# Altium PCB H3_PCB_20191213_V2.PcbDoc (part 1 of 4) (continued)
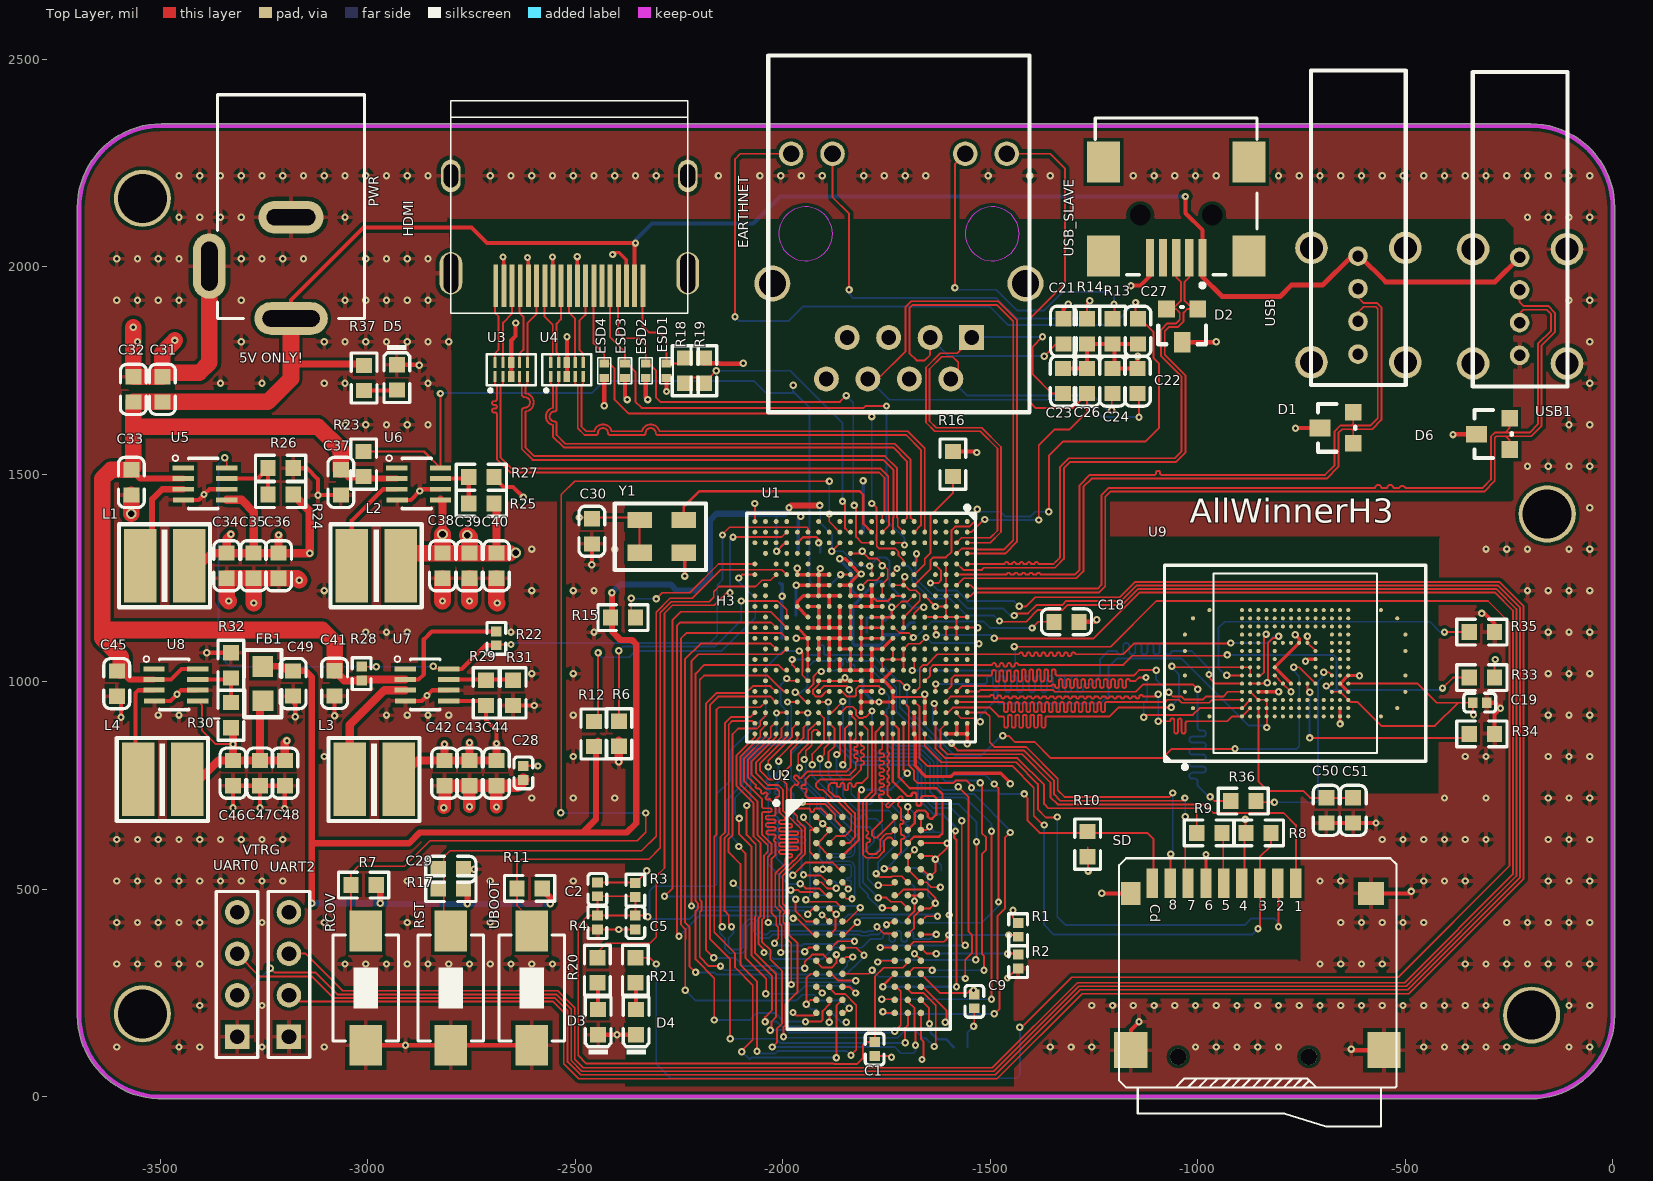
[diagram p0: Top Layer view]
## Components (designator, comment, footprint, x,y, rotation, side; value= is the part's Value field where it differs from the comment) (continued)
PWR "PWR2.5" DC-PJ044A -3185,2415.28 r270 top
R1 "240Ω" 0402_R -1432.5,402.49 r270 top
R2 "240Ω" 0402_R -1432.5,326 r90 top
R3 "2KΩ" 0402_R -2355,498.27 r270 top
R4 "2KΩ" 0402_R -2446.52,420 r270 top
R5 "100Ω" 0402_R -2135,410 r180 bottom
R6 "240Ω" 0603_R -2395,875 r90 top
R7 "47KΩ" 0603_R -3010,510 r180 top
R8 "47KΩ" 0603_R -853.27,636 r180 top
R9 "33Ω" 0603_R -971.73,636 r180 top
R10 "47KΩ" 0603_R -1265,609.03 r270 top
R11 "47KΩ" 0603_R -2610,502.38 r180 top
R12 "47KΩ" 0603_R -2455.31,874.39 r90 top
R13 "510Ω" 0603_R -1205,1845 r270 top
R14 "510Ω" 0603_R -1266.5,1845 r270 top
R15 "100KΩ" 0603_R -2385,1155 r0 top
R16 "47KΩ" 0603_R -1590,1525 r90 top
R17 "47KΩ" 0603_R -2799.8,501.73 r180 top
R18 "20KΩ" 0603_R -2235,1750 r90 top
R19 "20KΩ" 0603_R -2190,1750 r270 top
R20 "2KΩ" 0603_R -2446.52,305 r270 top
R21 "2KΩ" 0603_R -2355,305 r270 top
R22 "47KΩ" 0402_R -2690,1105 r270 top
R23 "47KΩ" 0603_R -3010,1525 r90 top
R24 "200KΩ" 0603_R -3210,1451.5 r180 top
R25 "300KΩ" 0603_R -2726.25,1430 r180 top
R26 "200KΩ" 0603_R -3210,1515 r0 top
R27 "200KΩ" 0603_R -2726.25,1493.27 r0 top
R28 "47KΩ" 0402_R -3015,1020 r90 top
R29 "200KΩ" 0603_R -2715,973.4 r90 top
R30 "300KΩ" 0603_R -3330,920 r90 top
R31 "200KΩ" 0603_R -2650,973.4 r270 top
R32 "200KΩ" 0603_R -3330,1040 r90 top
R33 "47KΩ" 0603_R -315,1010.45 r180 top
R34 "0Ω" 0603_R -315,874.68 r0 top
R35 "0Ω" 0603_R -315,1120 r0 top
R36 "33Ω" 0603_R -890,712.5 r0 top
R37 "2KΩ" 0603_R -3009,1732.32 r270 top
RCOV "SW-PB" SW_PB2_A1 -3005,260 r0 top
RST "SW-PB" SW_PB2_A1 -2800,260 r0 top
SD "TF_Card" SD_MINI -763.39,510 r0 top
U1 "H3-BGA3XX" BGA347P0_65B14X14 -1811.18,1130.59 r270 top
U2 "MT41K512M16TNA-125" MICT-TNA-96 -1792.99,438.27 r0 top
U3 "rRClamp0524P" RCLAMP0524P -2654.35,1752.3 r0 top
U4 "rRClamp0524P" RCLAMP0524P -2520,1752.3 r0 top
U5 "MP2144" SOT23-8 -3445,1515.67 r90 top
U6 "MP2144" SOT23-8 -2930,1515.67 r90 top
U7 "MP2144" SOT23-8 -2910,1031.33 r90 top
U8 "MP2144" SOT23-8 -3515,1031.33 r90 top
U9 "EMMC5_0_BGA169" BGA169P0_50B12_00X16_00H1_00 -765,1045 r90 top
UART0 "SWD" HDR1X4 -3315,145 r90 top
UART2 "SWD" HDR1X4 -3190,145 r90 top
UBOOT "SW-PB" SW_PB2_A1 -2605,260 r0 top
USB "USB_A_1" USB_A_1 -612.5,2094.16 r180 top
USB1 "USB_A_1" USB_A_1 -223,2091.26 r180 top
USB_SLAVE "USB-B(Mini)" USB/SM0.8-6H5 -1051.61,2331.69 r90 top
Y1 "24MHz" SMDXTAL3225 -2345,1390 r0 top

## Footprints (in the part's own frame and the unit in brackets; to place one, negate y for a bottom-side part, rotate by r counter-clockwise, add the part's x,y. Pads: shape width x height; smd on the part's side, far side on the other; paste and mask are expansions set on the pad)
0402_C [mm]
  rect 0.6x0.65 smd mask+0.051: 1(-0.425,0) 2(0.425,0)
  silkscreen extent -0.98,-0.58 0.98,0.58, body extent -0.48,-0.3 0.52,0.3, height 0.2
0402_R [mm]
  rect 0.6x0.65 smd mask+0.051: 1(-0.425,0) 2(0.425,0)
  silkscreen extent -0.98,-0.58 0.98,0.58, body extent -0.57,-0.27 0.57,0.28, height 0.41
0603_C [mm]
  rect 0.93x0.98 smd: 1(-0.77,0) 2(0.77,0)
  silkscreen extent -1.53,-0.79 1.54,0.79, body extent -0.8,-0.4 0.8,0.4, height 0.3
0603_LED_S1 [mm]
  rect 0.93x0.98 smd: A(0.77,0) K(-0.77,0)
  silkscreen extent -1.98,-0.79 1.54,0.79, body extent -0.8,-0.4 0.8,0.4, height 0.6
0603_R [mm]
  rect 0.93x0.98 smd: 1(-0.77,0) 2(0.77,0)
  silkscreen extent -1.53,-0.79 1.54,0.79, body extent -0.85,-0.4 0.85,0.4, height 0.56
BGA169P0_50B12_00X16_00H1_00 [mil]
  round 9.8 smd: A4(-68.9,265.7) A6(-29.5,265.7) A9(29.5,265.7) A11(68.9,265.7) AA1(-128,-128) AA2(-108.3,-128) AA3(-88.6,-128) AA4(-68.9,-128) AA5(-49.2,-128) AA6(-29.5,-128) AA7(-9.8,-128) AA8(9.8,-128) AA9(29.5,-128) AA10(49.2,-128) AA11(68.9,-128) AA12(88.6,-128) AA13(108.3,-128) AA14(128,-128) AE1(-128,-206.7) AE14(128,-206.7) AG2(-108.3,-246.1) AG13(108.3,-246.1) AH4(-68.9,-265.7) AH6(-29.5,-265.7) AH9(29.5,-265.7) AH11(68.9,-265.7) B2(-108.3,246.1) B13(108.3,246.1) D1(-128,206.7) D14(128,206.7) H1(-128,128) H2(-108.3,128) H3(-88.6,128) H4(-68.9,128) H5(-49.2,128) H6(-29.5,128) H7(-9.8,128) H8(9.8,128) H9(29.5,128) H10(49.2,128) H11(68.9,128) H12(88.6,128) H13(108.3,128) H14(128,128) J1(-128,108.3) J2(-108.3,108.3) J3(-88.6,108.3) J4(-68.9,108.3) J5(-49.2,108.3) J6(-29.5,108.3) J7(-9.8,108.3) J8(9.8,108.3) J9(29.5,108.3) J10(49.2,108.3) J11(68.9,108.3) J12(88.6,108.3) J13(108.3,108.3) J14(128,108.3) K1(-128,88.6) K2(-108.3,88.6) K3(-88.6,88.6) K4(-68.9,88.6) K5(-49.2,88.6) K6(-29.5,88.6) K7(-9.8,88.6) K8(9.8,88.6) K9(29.5,88.6) K10(49.2,88.6) K11(68.9,88.6) K12(88.6,88.6) K13(108.3,88.6) K14(128,88.6) L1(-128,68.9) L2(-108.3,68.9) L3(-88.6,68.9) L4(-68.9,68.9) L12(88.6,68.9) L13(108.3,68.9) L14(128,68.9) M1(-128,49.2) M2(-108.3,49.2) M3(-88.6,49.2) M5(-49.2,49.2) M6(-29.5,49.2) M7(-9.8,49.2) M8(9.8,49.2) M9(29.5,49.2) M10(49.2,49.2) M12(88.6,49.2) M13(108.3,49.2) M14(128,49.2) N1(-128,29.5) N2(-108.3,29.5) N3(-88.6,29.5) N5(-49.2,29.5) N10(49.2,29.5) N12(88.6,29.5) N13(108.3,29.5) N14(128,29.5) P1(-128,9.8) P2(-108.3,9.8) P3(-88.6,9.8) P5(-49.2,9.8) P10(49.2,9.8) P12(88.6,9.8) P13(108.3,9.8) P14(128,9.8) R1(-128,-9.8) R2(-108.3,-9.8) R3(-88.6,-9.8) R5(-49.2,-9.8) R10(49.2,-9.8) R12(88.6,-9.8) R13(108.3,-9.8) R14(128,-9.8) T1(-128,-29.5) T2(-108.3,-29.5) T3(-88.6,-29.5) T5(-49.2,-29.5) T10(49.2,-29.5) T12(88.6,-29.5) T13(108.3,-29.5) T14(128,-29.5) U1(-128,-49.2) U2(-108.3,-49.2) U3(-88.6,-49.2) U5(-49.2,-49.2) U6(-29.5,-49.2) U7(-9.8,-49.2) U8(9.8,-49.2) U9(29.5,-49.2) U10(49.2,-49.2) U12(88.6,-49.2) U13(108.3,-49.2) U14(128,-49.2) V1(-128,-68.9) V2(-108.3,-68.9) V3(-88.6,-68.9) V12(88.6,-68.9) V13(108.3,-68.9) V14(128,-68.9) W1(-128,-88.6) W2(-108.3,-88.6) W3(-88.6,-88.6) W4(-68.9,-88.6) W5(-49.2,-88.6) W6(-29.5,-88.6) W7(-9.8,-88.6) W8(9.8,-88.6) W9(29.5,-88.6) W10(49.2,-88.6) W11(68.9,-88.6) W12(88.6,-88.6) W13(108.3,-88.6) W14(128,-88.6) Y1(-128,-108.3) Y2(-108.3,-108.3) Y3(-88.6,-108.3) Y4(-68.9,-108.3) Y5(-49.2,-108.3) Y6(-29.5,-108.3) Y7(-9.8,-108.3) Y8(9.8,-108.3) Y9(29.5,-108.3) Y10(49.2,-108.3) Y11(68.9,-108.3) Y12(88.6,-108.3) Y13(108.3,-108.3) Y14(128,-108.3)
  silkscreen extent -255,-315 236,315, body extent -276,-354 276,354, height 150
BGA347P0_65B14X14 [mm] "BGA347P0_65B14X14"
  round 0.3 smd: A1(-6.5,6.5) A2(-5.85,6.5) A3(-5.2,6.5) A4(-4.55,6.5) A5(-3.9,6.5) A7(-2.6,6.5) A8(-1.95,6.5) A10(-0.65,6.5) A11(0,6.5) A13(1.3,6.5) A14(1.95,6.5) A16(3.25,6.5) A17(3.9,6.5) A19(5.2,6.5) A20(5.85,6.5) A21(6.5,6.5) AA1(-6.5,-6.5) AA2(-5.85,-6.5) AA3(-5.2,-6.5) AA5(-3.9,-6.5) AA6(-3.25,-6.5) AA8(-1.95,-6.5) AA9(-1.3,-6.5) AA11(0,-6.5) AA12(0.65,-6.5) AA14(1.95,-6.5) AA15(2.6,-6.5) AA17(3.9,-6.5) AA18(4.55,-6.5) AA19(5.2,-6.5) AA20(5.85,-6.5) AA21(6.5,-6.5) B1(-6.5,5.85) B2(-5.85,5.85) B3(-5.2,5.85) B4(-4.55,5.85) B5(-3.9,5.85) B6(-3.25,5.85) B7(-2.6,5.85) B8(-1.95,5.85) B9(-1.3,5.85) B10(-0.65,5.85) B11(0,5.85) B12(0.65,5.85) B13(1.3,5.85) B14(1.95,5.85) B15(2.6,5.85) B16(3.25,5.85) B17(3.9,5.85) B18(4.55,5.85) B19(5.2,5.85) B20(5.85,5.85) B21(6.5,5.85) C1(-6.5,5.2) C2(-5.85,5.2) C3(-5.2,5.2) C5(-3.9,5.2) C6(-3.25,5.2) C7(-2.6,5.2) C8(-1.95,5.2) C9(-1.3,5.2) C10(-0.65,5.2) C11(0,5.2) C12(0.65,5.2) C13(1.3,5.2) C14(1.95,5.2) C15(2.6,5.2) C16(3.25,5.2) C17(3.9,5.2) C18(4.55,5.2) C19(5.2,5.2) C20(5.85,5.2) C21(6.5,5.2) D1(-6.5,4.55) D2(-5.85,4.55) D3(-5.2,4.55) D5(-3.9,4.55) D6(-3.25,4.55) D8(-1.95,4.55) D10(-0.65,4.55) D11(0,4.55) D13(1.3,4.55) D15(2.6,4.55) D17(3.9,4.55) D19(5.2,4.55) D20(5.85,4.55) E2(-5.85,3.9) E3(-5.2,3.9) E8(-1.95,3.9) E10(-0.65,3.9) E11(0,3.9) E13(1.3,3.9) E14(1.95,3.9) E15(2.6,3.9) E16(3.25,3.9) E18(4.55,3.9) E19(5.2,3.9) E20(5.85,3.9) E21(6.5,3.9) F1(-6.5,3.25) F2(-5.85,3.25) F3(-5.2,3.25) F5(-3.9,3.25) F6(-3.25,3.25) F7(-2.6,3.25) F8(-1.95,3.25) F10(-0.65,3.25) F11(0,3.25) F13(1.3,3.25) F14(1.95,3.25) F16(3.25,3.25) F17(3.9,3.25) F18(4.55,3.25) F19(5.2,3.25) F20(5.85,3.25) F21(6.5,3.25) G1(-6.5,2.6) G2(-5.85,2.6) G4(-4.55,2.6) G5(-3.9,2.6) G7(-2.6,2.6) G8(-1.95,2.6) G9(-1.3,2.6) G10(-0.65,2.6) G11(0,2.6) G12(0.65,2.6) G13(1.3,2.6) G14(1.95,2.6) G15(2.6,2.6) G18(4.55,2.6) G20(5.85,2.6) H2(-5.85,1.95) H3(-5.2,1.95) H4(-4.55,1.95) H6(-3.25,1.95) H7(-2.6,1.95) H8(-1.95,1.95) H10(-0.65,1.95) H11(0,1.95) H12(0.65,1.95) H13(1.3,1.95) H14(1.95,1.95) H15(2.6,1.95) H16(3.25,1.95) H17(3.9,1.95) H18(4.55,1.95) H19(5.2,1.95) H20(5.85,1.95) H21(6.5,1.95) J1(-6.5,1.3) J2(-5.85,1.3) J3(-5.2,1.3) J6(-3.25,1.3) J7(-2.6,1.3) J8(-1.95,1.3) J9(-1.3,1.3) J10(-0.65,1.3) J11(0,1.3) J12(0.65,1.3) J13(1.3,1.3) J14(1.95,1.3) J15(2.6,1.3) J16(3.25,1.3) J19(5.2,1.3) J20(5.85,1.3) J21(6.5,1.3) K1(-6.5,0.65) K2(-5.85,0.65) K3(-5.2,0.65) K4(-4.55,0.65) K6(-3.25,0.65) K7(-2.6,0.65) K8(-1.95,0.65) K9(-1.3,0.65) K10(-0.65,0.65) K11(0,0.65) K12(0.65,0.65) K13(1.3,0.65) K14(1.95,0.65) K15(2.6,0.65) K16(3.25,0.65) K17(3.9,0.65) K18(4.55,0.65) K20(5.85,0.65) L2(-5.85,0) L5(-3.9,0) L8(-1.95,0) L9(-1.3,0) L10(-0.65,0) L11(0,0) L12(0.65,0) L13(1.3,0) L14(1.95,0) L15(2.6,0) L16(3.25,0) L17(3.9,0) L18(4.55,0) L19(5.2,0) L20(5.85,0) L21(6.5,0) M1(-6.5,-0.65) M2(-5.85,-0.65) M3(-5.2,-0.65) M4(-4.55,-0.65) M5(-3.9,-0.65) M6(-3.25,-0.65) M7(-2.6,-0.65) M8(-1.95,-0.65) M9(-1.3,-0.65) M10(-0.65,-0.65) M11(0,-0.65) M12(0.65,-0.65) M13(1.3,-0.65) M14(1.95,-0.65) M15(2.6,-0.65) M16(3.25,-0.65) M19(5.2,-0.65) M20(5.85,-0.65) M21(6.5,-0.65) N1(-6.5,-1.3) N2(-5.85,-1.3) N3(-5.2,-1.3) N7(-2.6,-1.3) N8(-1.95,-1.3) N9(-1.3,-1.3) N10(-0.65,-1.3) N11(0,-1.3) N12(0.65,-1.3) N13(1.3,-1.3) N14(1.95,-1.3) N15(2.6,-1.3) N16(3.25,-1.3) N17(3.9,-1.3) N19(5.2,-1.3) N20(5.85,-1.3) P2(-5.85,-1.95) P3(-5.2,-1.95) P6(-3.25,-1.95) P7(-2.6,-1.95) P8(-1.95,-1.95) P9(-1.3,-1.95) P10(-0.65,-1.95) P11(0,-1.95) P12(0.65,-1.95) P13(1.3,-1.95) P14(1.95,-1.95) P15(2.6,-1.95) P16(3.25,-1.95) P17(3.9,-1.95) P19(5.2,-1.95) P20(5.85,-1.95) P21(6.5,-1.95) R1(-6.5,-2.6) R2(-5.85,-2.6) R6(-3.25,-2.6) R7(-2.6,-2.6) R8(-1.95,-2.6) R9(-1.3,-2.6) R10(-0.65,-2.6) R11(0,-2.6) R12(0.65,-2.6) R13(1.3,-2.6) R14(1.95,-2.6) R16(3.25,-2.6) R17(3.9,-2.6) R18(4.55,-2.6) R19(5.2,-2.6) R20(5.85,-2.6) R21(6.5,-2.6) T2(-5.85,-3.25) T3(-5.2,-3.25) T4(-4.55,-3.25) T5(-3.9,-3.25) T6(-3.25,-3.25) T7(-2.6,-3.25) T8(-1.95,-3.25) T9(-1.3,-3.25) T10(-0.65,-3.25) T11(0,-3.25) T12(0.65,-3.25) T13(1.3,-3.25) T14(1.95,-3.25) T15(2.6,-3.25) T16(3.25,-3.25) T17(3.9,-3.25) T18(4.55,-3.25) T20(5.85,-3.25) U2(-5.85,-3.9) U3(-5.2,-3.9) U4(-4.55,-3.9) U6(-3.25,-3.9) U9(-1.3,-3.9) U11(0,-3.9) U15(2.6,-3.9) U16(3.25,-3.9) U18(4.55,-3.9) U19(5.2,-3.9) U20(5.85,-3.9) U21(6.5,-3.9) V1(-6.5,-4.55) V2(-5.85,-4.55) V3(-5.2,-4.55) V4(-4.55,-4.55) V5(-3.9,-4.55) V6(-3.25,-4.55) V10(-0.65,-4.55) V11(0,-4.55) V12(0.65,-4.55) V13(1.3,-4.55) V15(2.6,-4.55) V17(3.9,-4.55) V19(5.2,-4.55) V20(5.85,-4.55) V21(6.5,-4.55) W1(-6.5,-5.2) W2(-5.85,-5.2) W3(-5.2,-5.2) W5(-3.9,-5.2) W6(-3.25,-5.2) W9(-1.3,-5.2) W11(0,-5.2) W12(0.65,-5.2) W13(1.3,-5.2) W15(2.6,-5.2) W17(3.9,-5.2) W18(4.55,-5.2) W20(5.85,-5.2) W21(6.5,-5.2) Y1(-6.5,-5.85) Y2(-5.85,-5.85) Y3(-5.2,-5.85) Y4(-4.55,-5.85) Y7(-2.6,-5.85) Y8(-1.95,-5.85) Y9(-1.3,-5.85) Y10(-0.65,-5.85) Y11(0,-5.85) Y12(0.65,-5.85) Y13(1.3,-5.85) Y14(1.95,-5.85) Y15(2.6,-5.85) Y16(3.25,-5.85) Y17(3.9,-5.85) Y18(4.55,-5.85) Y19(5.2,-5.85) Y20(5.85,-5.85) Y21(6.5,-5.85)
  silkscreen extent -7.47,-7 7,7, body extent -7.5,-7.5 7.5,7.5, height 3.81
CD43NP [mm]
  rect 2x4.5 smd: 1(-1.512,0) 2(1.488,0)
  silkscreen extent -2.79,-2.54 2.79,2.54, body extent -2.41,-2.14 2.39,2.16, height 3.5
DC-PJ044A [mm]
  oval 2x4.5 hole 1 slot 3.5 at 90 deg: 1(13.7,0)
  oval 2x4 hole 1 slot 3 at 90 deg: 2(7.5,0)
  oval 4x2 hole 1 slot 3 at 0 deg: 3(10.5,-5)
  silkscreen extent 0,-4.5 13.7,4.5, body extent -0.15,-5 14.35,4.5, height 11
F0805 [mil] "1/8W"
  rect 50x50 smd: 1(0,0) 2(82.3,0.2)
  silkscreen extent -40,-45 122,45, body extent 1,-24 80,25, height 22
HDMI_SMD_A [mm]
  rect 0.3x2.6 smd: 1(11.75,11.31) 2(11.25,11.31) 3(10.75,11.31) 4(10.25,11.31) 5(9.75,11.31) 6(9.25,11.31) 7(8.75,11.31) 8(8.25,11.31) 9(7.75,11.31) 10(7.25,11.31) 11(6.75,11.31) 12(6.25,11.31) 13(5.75,11.31) 14(5.25,11.31) 15(4.75,11.31) 16(4.25,11.31) 17(3.75,11.31) 18(3.25,11.31) 19(2.75,11.31)
  oval 1.2x2 hole 0.9 slot 1.4 at 90 deg: 20(0,4.59) 21(14.5,4.59)
  oval 1.4x2.6 hole 0.9 slot 2.4 at 90 deg: 22(0,10.55) 23(14.5,10.55)
  silkscreen extent 0,0 14.5,13, body extent -1,-0.1 15.5,13.4, height 3.81
HDR1X4 [mm]
  rect 1.5x1.5 hole 0.9: 1(0,0)
  round 1.5 hole 0.9: 2(2.54,0) 3(5.08,0) 4(7.62,0)
  silkscreen extent -1.27,-1.27 8.89,1.27
HR911105A [mil]
  rect 60x60 hole 35: 1(175.2,-250)
  round 60 hole 35: 2(125.2,-350) 3(75.2,-250) 4(25.2,-350) 5(-24.8,-250) 6(-74.8,-350) 7(-124.8,-250) 8(-174.8,-350)
  round 59.06 hole 40.16: 9(259.84,192.91) 12(-259.84,192.91)
  round 59.05 hole 40.16: 10(160,192.91) 11(-160,192.91)
  round 86.61 hole 64.96: 13(305.12,-120) 14(-305.12,-120)
  Keep-Out Layer circle w2: c225.04,0 r64.96
  Keep-Out Layer circle w2: c-224.96,0 r64.96
  silkscreen extent -315,-430 315,430
MICT-TNA-96 [mm] "BGA, 96-Balls, Body 14x10mm, Pitch 0.8mm"
  round 0.4 smd: A1(-3.2,6) A2(-2.4,6) A3(-1.6,6) A7(1.6,6) A8(2.4,6) A9(3.2,6) B1(-3.2,5.2) B2(-2.4,5.2) B3(-1.6,5.2) B7(1.6,5.2) B8(2.4,5.2) B9(3.2,5.2) C1(-3.2,4.4) C2(-2.4,4.4) C3(-1.6,4.4) C7(1.6,4.4) C8(2.4,4.4) C9(3.2,4.4) D1(-3.2,3.6) D2(-2.4,3.6) D3(-1.6,3.6) D7(1.6,3.6) D8(2.4,3.6) D9(3.2,3.6) E1(-3.2,2.8) E2(-2.4,2.8) E3(-1.6,2.8) E7(1.6,2.8) E8(2.4,2.8) E9(3.2,2.8) F1(-3.2,2) F2(-2.4,2) F3(-1.6,2) F7(1.6,2) F8(2.4,2) F9(3.2,2) G1(-3.2,1.2) G2(-2.4,1.2) G3(-1.6,1.2) G7(1.6,1.2) G8(2.4,1.2) G9(3.2,1.2) H1(-3.2,0.4) H2(-2.4,0.4) H3(-1.6,0.4) H7(1.6,0.4) H8(2.4,0.4) H9(3.2,0.4) J1(-3.2,-0.4) J2(-2.4,-0.4) J3(-1.6,-0.4) J7(1.6,-0.4) J8(2.4,-0.4) J9(3.2,-0.4) K1(-3.2,-1.2) K2(-2.4,-1.2) K3(-1.6,-1.2) K7(1.6,-1.2) K8(2.4,-1.2) K9(3.2,-1.2) L1(-3.2,-2) L2(-2.4,-2) L3(-1.6,-2) L7(1.6,-2) L8(2.4,-2) L9(3.2,-2) M1(-3.2,-2.8) M2(-2.4,-2.8) M3(-1.6,-2.8) M7(1.6,-2.8) M8(2.4,-2.8) M9(3.2,-2.8) N1(-3.2,-3.6) N2(-2.4,-3.6) N3(-1.6,-3.6) N7(1.6,-3.6) N8(2.4,-3.6) N9(3.2,-3.6) P1(-3.2,-4.4) P2(-2.4,-4.4) P3(-1.6,-4.4) P7(1.6,-4.4) P8(2.4,-4.4) P9(3.2,-4.4) R1(-3.2,-5.2) R2(-2.4,-5.2) R3(-1.6,-5.2) R7(1.6,-5.2) R8(2.4,-5.2) R9(3.2,-5.2) T1(-3.2,-6) T2(-2.4,-6) T3(-1.6,-6) T7(1.6,-6) T8(2.4,-6) T9(3.2,-6)
  silkscreen extent -5.77,-7 5,7, body extent -5,-7 5,7, height 0.25
RCLAMP0524P [mil]
  rect 7.9x26.6 smd: 1(-39.35,-16.7) 2(-19.65,-16.7) 4(19.75,-16.7) 5(39.35,-16.7) 6(39.35,17.7) 7(19.75,17.7) 9(-19.65,17.7) 10(-39.35,17.7)
  rect 15.7x26.4 smd: 3(0.05,-16.7) 8(0.05,17.7)
  silkscreen extent -59,-54 59,37
SD_MINI [mm]
  round 1 hole 1 unplated: 0(-7.2,-10.5) 0(0.8,-10.5)
  rect 0.7x1.8 smd: 1(0,0.127) 2(-1.1,0.127) 3(-2.2,0.127) 4(-3.3,0.127) 5(-4.4,0.127) 6(-5.5,0.127) 7(-6.6,0.127) 8(-7.7,0.127) 9(-8.8,0.127)
  rect 2.032x2.2 smd: 10(-10.1,-10.1) 10(5.4,-10.1)
  rect 1.2x1.4 smd: 10(-10.1,-0.5)
  rect 1.6x1.4 smd: 10(4.6,-0.5)
  silkscreen extent -10.82,-14.78 6.17,1.65, body extent -10.37,-14.73 5.9,0.47, height 1.8
SMDXTAL3225 [mm]
  rect 1.5x1 smd: 1(0,-2) 2(2.7,-2) 3(2.7,0) 4(0,0)
  silkscreen extent -1.52,-3.05 4.06,1.02
SOT23-3 [mil]
  rect 40x40 smd: 1(4.88,0.63) 2(79.88,0.63)
  rect 40x50 smd: 3(41.88,80.63)
  silkscreen extent -15,-4 100,86, body extent -15,-11 99,99, height 47
SOT23-8 [mm]
  rect 0.3x1.3 smd: 1(0,0) 2(-0.652,0) 3(-1.304,0) 4(-1.956,-0.025) 5(-1.956,-2.667) 6(-1.304,-2.667) 7(-0.652,-2.667) 8(0,-2.667)
  silkscreen extent -2.5,-2.13 0.78,0.65, body extent -2.42,-2.7 0.48,0.1, height 1
SW_PB2_A1 [mm]
  rect 2x2.5 smd: 1(0,3.556) 2(0,-3.444)
  silkscreen extent -2,-3.19 2,3.31, body extent -2.03,-3.17 2.03,3.3, height 1.2
TVS0402 [mil]
  rect 19.7x23.6 smd: 1(-17.7,0) 2(17.7,0)
  silkscreen extent -32,-16 32,16, body extent -34,-18 34,18, height 150
USB/SM0.8-6H5 [mm]
  rect 2.3x0.5 smd: 1(-7.85,-1.6) 2(-7.85,-0.8) 3(-7.85,0) 4(-7.85,0.8) 5(-7.85,1.6)
  rect 2.5x2 smd: 6(-7.75,4.45) 7(-1.996,4.45) 8(-7.75,-4.45) 9(-1.996,-4.45)
  round 0.6 hole 1.27 unplated: MH1(-5.25,2.2) MH2(-5.25,-2.2)
  silkscreen extent -9.67,-4.95 0.7,4.95
USB_A_1 [mil]
  round 47.2 hole 27.6: 1(1,67.95) 2(1,146.65) 3(1,225.45) 4(1,304.15)
  round 78.7 hole 55.1: 5(-113.2,323.85) 6(113.2,323.85) 7(-113.2,48.25) 8(113.2,48.25)
  silkscreen extent -114,-379 114,379, body extent -162,-379 162,379, height 150

## Part data
C1 C2 C3 C4 C5 C6 C7 C8 C9 C10 C11 C12 C13 C14 C15 C16 C17 C19 C20 C21 C22 C23 C24 C25 C26 C27 C28 C29 C30 C50 C51 C52 C53 C54 C55 C56 C57 C58 C59 C60: library part "0402 1nF (102) 10% 50V", "贴片电容"
C18: library part "0603 2.7pF (2R7) 0.25pF 50V", "贴片电容"
C31 C32 C33 C34 C35 C36 C37 C38 C39 C40 C41 C42 C43 C44 C45 C46 C47 C48 C49: library part "0603 1uF (105) 10% 50V", "贴片电容"
D3 D5: library part "0603 红灯", "发光二极管"
D4: library part "0603 绿灯", "发光二极管"
EARTHNET: library part HR911105
ESD1 ESD2 ESD3 ESD4: library part 1_1.5KE100A
FB1: library part FB, "磁珠"
HDMI: library part HDMI19_PLUG
L1 L2 L3 L4: library part L
PWR: "Low Voltage Power Supply Connector"
R1 R2 R3 R4 R5 R6 R7 R8 R9 R10 R11 R12 R13 R14 R15 R16 R17 R18 R19 R20 R21 R22 R23 R24 R25 R26 R27 R28 R29 R30 R31 R32 R33 R34 R35 R36 R37: library part "0402 1KΩ (1001) 1%", "贴片电阻"
RCOV RST UBOOT: "微动开关"
SD: "TF卡座"
U2: "8Gb SDRAM, 512Mb x 16, 1.25ns, 1.35V, 0 to 95 degC, 96-Ball FBGA, Pb-Free"
UART0 UART2: library part "Header 4", "Header, 4-Pin"
USB_SLAVE: library part USB5
Y1: library part XTAL4_OSCILLATOR, "有源晶振"

## Free pads (board coordinates)
  round 137.8 hole 118.11: 0(-3543.31,2165.35) 1(-3543.31,200) 2(-195,196.85) 3(-157.48,1404.66)

## Via types
v1: diameter 17.72, hole 7.87, Top Layer to Bottom Layer, 666 vias
v2: diameter 25.59, hole 15.75, Top Layer to Bottom Layer, 4 vias

## Nets (pads, with @x,y where several pads share a name; then routed paths per layer and width w, separated by ;. In a path a pad name is that pad's centre, name@x,y a point inside that pad or via, vN(x,y) a via of type N, cw(c..) or ccw(c..) an arc to the next point about the centre after c; other vN are vias at no path point)
AP_RESET: C29.2 R17.2 RST.1 U1.V6 | length 1619.5
  Top Layer w4: RST.1@-2800,400 -2816.73,416.73 -2816.73,578.27 -2802.05,592.95 -2340.32,592.95 -2305,628.27 -2305,1168.13 -2271.81,1201.31 -2218.37,1201.31 -2149.24,1270.45 -2002.22,1270.45 U1.V6@-1990.31,1258.54
AVCC_3V3: C20.2 C49.2 FB1.2 R7.1 R11.1 R12.1 R15.1 R17.1 U1.F10 U1.K6 U1.N3 U1.V3 | length 4382.1
  Top Layer w4.5: v1(-1881.63,1315) -1862.36,1334.27 U1.N3@-1862.36,1335.31 U1.N3@-1859.73,1335.31 ; v1(-1790.62,1279.12) -1785.59,1274.08 U1.K6@-1785.59,1258.54 ; U1.F10@-1683.23,1156.18 -1683.23,1164.93 -1668.16,1180 v1(-1660,1180)
  Top Layer w5: v1(-2014.75,1315) -1994.44,1335.31 U1.V3@-1990.31,1335.31
  Top Layer w15: FB1.2@-3270,1037.6 -3205.88,1037.6 -3195,1026.72 -3149.99,1026.72 -3135,1011.73 -3135,611.25 ; v1(-3135,466.47) -3135,611.25 ; R7.1@-2979.69,505 -2970,495.31 v1(-2970,466.47) ; R17.1@-2769.49,501.73 -2760,492.24 v1(-2760,465) ; R11.1@-2579.69,500 -2560,480.31 v1(-2560,465) ; R12.1@-2445,858.27 -2450,853.27 -2450,668.48 -2481.48,637 ; v1(-2411.73,1215) -2411.73,1121.7 -2390.97,1100.93 -2363.27,1100.93 -2353.27,1090.92 -2353.27,659.23 -2375.5,637 -2481.48,637 ; v1(-1985,1420) -1979.68,1425.32 v1(-1910.66,1425.32) ; -3135,611.25 -2900.51,611.25 -2874.76,637 -2481.48,637
  Bottom Layer w4.5: v1(-1910.66,1425.32) -1909.62,1424.27 -1909.62,1382.99 -1881.63,1355 v1(-1881.63,1315) -1854.77,1315 -1818.88,1279.12 v1(-1790.62,1279.12) ; C20.2@-1682.23,1176.73 -1678.96,1180 v1(-1660,1180)
  Bottom Layer w5: v1(-2014.75,1315) -2014.75,1400.25 -2010,1405 ; v1(-1790.62,1279.12) -1790.62,1280.09 -1771.07,1299.64 -1751.06,1299.64 -1742.34,1290.92 -1742.34,1232.34 -1686.73,1176.73 C20.2@-1682.23,1176.73
  Bottom Layer w15: v1(-3135,466.47) v1(-2970,466.47) -2968.53,465 v1(-2760,465) v1(-2560,465) ; v1(-2411.73,1215) -2391.73,1235 -2270,1235 -2255,1220 -2208.54,1220 -2175,1253.54 -2175,1390 -2160,1405 -2010,1405 -1994.39,1405 -1985,1414.39 v1(-1985,1420)
CPUX_URX: U1.H6 UART0.2 | length 5760.3
  Top Layer w4.5: v1(-3235,310) -3225,300 -3126.52,300 -3073.52,247 -2545.88,247 -2509.81,210.93 -2509.81,87.49 -2483.82,61.5 -1491.02,61.5 -1286.02,266.5 -497.54,266.5 -231.5,532.54 -231.5,1175.57 -279.43,1223.5 -1144.08,1223.5 -1182.58,1185 -1313.79,1185 -1325.42,1173.37 -1385.13,1173.37 -1413.61,1144.89 -1475.82,1144.89 v1(-1477.66,1146.73) ; U1.H6@-1734.41,1258.54 -1734.41,1263.65 v1(-1724.64,1273.42)
  Bottom Layer w4.5: UART0.2@-3315,245 -3300,245 v1(-3235,310) ; v1(-1724.64,1273.42) -1718.71,1279.35 -1699.15,1279.35 -1688.5,1268.7 -1688.5,1245.09 -1644.41,1201 -1597.07,1201 -1556.07,1160 -1490.93,1160 v1(-1477.66,1146.73)
CPUX_UTX: U1.F5 UART0.3 | length 5764.8
  Top Layer w4.5: UART0.3@-3315,345 -3259.89,289.89 -3233.74,289.89 -3233.63,290 -3135,290 -3083.5,238.5 -2549.4,238.5 -2518.31,207.41 -2518.31,83.97 -2487.34,53 -1487.5,53 -1282.5,258 -494.02,258 -223,529.02 -223,1179.09 -275.91,1232 -1147.6,1232 -1184.6,1195 -1316.4,1195 -1326.4,1185 -1388.77,1185 -1408.84,1164.93 -1437.25,1164.93 v1(-1442.18,1160) ; U1.F5@-1683.23,1284.13 -1677.66,1289.7 v1(-1677.66,1308.53)
  Bottom Layer w4.5: v1(-1677.66,1308.53) -1680,1306.19 -1680,1250 -1640,1210 -1587.81,1210 -1554.54,1176.73 -1468.67,1176.73 -1451.94,1160 v1(-1442.18,1160)
EMMC_CLK: R36.2 U9.W6 | length 490.8
  Top Layer w4.5: R36.2@-859.68,712.5 -857.18,710 v1(-815,710) ; v1(-696.1,1023.35) -684.25,1023.35 U9.W6@-676.4,1015.5
  Bottom Layer w4.5: v1(-815,710) -713.39,710 -710.11,713.28 -710.11,1000.39 -696.1,1014.4 v1(-696.1,1023.35)
EMMC_CMD: R33.2 U1.E16 U9.W5 | length 1522.9
  Top Layer w4.5: U1.E16@-1657.64,1002.64 -1657.16,1002.64 -1644.71,1015.1 -1644.71,1033.47 -1637.29,1040.89 -1495,1040.89 cw(c-1490.5,1040.89) -1486,1040.89 ccw(c-1481.5,1040.89) -1477,1040.89 cw(c-1472.5,1040.89) -1468,1040.89 ccw(c-1463.5,1040.89) -1459,1040.89 cw(c-1454.5,1040.89) -1450,1040.89 ccw(c-1445.5,1040.89) -1441,1040.89 cw(c-1436.5,1040.89) -1432,1040.89 -1423,1040.89 -1414,1040.89 -1405,1040.89 -1396,1040.89 -1387,1040.89 -1378,1040.89 -1369,1040.89 -1360,1040.89 -1351,1040.89 -1342,1040.89 -1333,1040.89 -1324,1040.89 -1315,1040.89 -1306,1040.89 -1297,1040.89 -1290,1040.89 -1179.11,1040.89 -1157.07,1062.93 -930.97,1062.93 v1(-928.9,1065) ; v1(-690,990) -682.2,990 U9.W5@-676.4,995.8 ; v1(-410,985) -384.55,1010.45 R33.2@-345.32,1010.45
  Bottom Layer w4.5: v1(-928.9,1065) -928.79,1065.11 -673.31,1065.11 -665,1056.8 -665,980 ; v1(-690,990) -680,980 -665,980 ; v1(-410,985) -415,980 -665,980
EMMC_DAT0: U1.B18 U9.H3 | length 1272.2
  Top Layer w3.5: -1078.54,951.46 -1073.6,956.4 -1045,956.4 -1038.38,949.78 -971.62,949.78 -965,956.4 U9.H3@-893,956.4
  Top Layer w4.5: U1.B18@-1580.87,951.46 -1480,951.46 -1475.5,951.46 -1471,951.46 cw(c-1471,946.96) -1466.5,946.96 -1466.5,931.5 ccw(c-1462,931.5) -1462,927 ccw(c-1462,931.5) -1457.5,931.5 -1457.5,946.96 cw(c-1453,946.96) -1453,951.46 cw(c-1453,946.96) -1448.5,946.96 -1448.5,931.5 ccw(c-1444,931.5) -1444,927 ccw(c-1444,931.5) -1439.5,931.5 -1439.5,946.96 cw(c-1435,946.96) -1435,951.46 cw(c-1435,946.96) -1430.5,946.96 -1430.5,931.5 ccw(c-1426,931.5) -1426,927 ccw(c-1426,931.5) -1421.5,931.5 -1421.5,946.96 cw(c-1417,946.96) -1417,951.46 cw(c-1417,946.96) -1412.5,946.96 -1412.5,931.5 ccw(c-1408,931.5) -1408,927 ccw(c-1408,931.5) -1403.5,931.5 -1403.5,946.96 cw(c-1399,946.96) -1399,951.46 cw(c-1399,946.96) -1394.5,946.96 -1394.5,931.5 ccw(c-1390,931.5) -1390,927 ccw(c-1390,931.5) -1385.5,931.5 -1385.5,946.96 cw(c-1381,946.96) -1381,951.46 cw(c-1381,946.96) -1376.5,946.96 -1376.5,931.5 ccw(c-1372,931.5) -1372,927 ccw(c-1372,931.5) -1367.5,931.5 -1367.5,946.96 cw(c-1363,946.96) -1363,951.46 cw(c-1363,946.96) -1358.5,946.96 -1358.5,931.5 ccw(c-1354,931.5) -1354,927 ccw(c-1354,931.5) -1349.5,931.5 -1349.5,946.96 cw(c-1345,946.96) -1345,951.46 cw(c-1345,946.96) -1340.5,946.96 -1340.5,931.5 ccw(c-1336,931.5) -1336,927 ccw(c-1336,931.5) -1331.5,931.5 -1331.5,946.96 cw(c-1327,946.96) -1327,951.46 cw(c-1327,946.96) -1322.5,946.96 -1322.5,931.5 ccw(c-1318,931.5) -1318,927 ccw(c-1318,931.5) -1313.5,931.5 -1313.5,946.96 cw(c-1309,946.96) -1309,951.46 cw(c-1309,946.96) -1304.5,946.96 -1304.5,931.5 ccw(c-1300,931.5) -1300,927 ccw(c-1300,931.5) -1295.5,931.5 -1295.5,946.96 cw(c-1291,946.96) -1291,951.46 cw(c-1291,946.96) -1286.5,946.96 -1286.5,931.5 ccw(c-1282,931.5) -1282,927 ccw(c-1282,931.5) -1277.5,931.5 -1277.5,946.96 cw(c-1273,946.96) -1273,951.46 cw(c-1273,946.96) -1268.5,946.96 -1268.5,931.5 ccw(c-1264,931.5) -1264,927 ccw(c-1264,931.5) -1259.5,931.5 -1259.5,946.96 cw(c-1255,946.96) -1255,951.46 cw(c-1255,946.96) -1250.5,946.96 -1250.5,931.5 ccw(c-1246,931.5) -1246,927 ccw(c-1246,931.5) -1241.5,931.5 -1241.5,946.96 cw(c-1237,946.96) -1237,951.46 cw(c-1237,946.96) -1232.5,946.96 -1232.5,931.5 ccw(c-1228,931.5) -1228,927 ccw(c-1228,931.5) -1223.5,931.5 -1223.5,946.96 cw(c-1219,946.96) -1219,951.46 -1190,951.46 -1078.54,951.46
EMMC_DAT1: U1.C17 U9.H4 | length 1213.8
  Top Layer w4.5: U1.C17@-1606.46,977.05 -1593.52,989.99 -1593.52,1007.88 -1586.11,1015.3 -1500,1015.3 ccw(c-1500,1019.8) -1495.5,1019.8 -1495.5,1023.95 cw(c-1491,1023.95) -1491,1028.45 cw(c-1491,1023.95) -1486.5,1023.95 -1486.5,1015.3 -1486.5,1004.94 ccw(c-1482,1004.94) -1482,1000.44 ccw(c-1482,1004.94) -1477.5,1004.94 -1477.5,1015.3 -1477.5,1023.35 cw(c-1473,1023.35) -1473,1027.85 cw(c-1473,1023.35) -1468.5,1023.35 -1468.5,1015.3 -1468.5,1004.94 ccw(c-1464,1004.94) -1464,1000.44 ccw(c-1464,1004.94) -1459.5,1004.94 -1459.5,1015.3 -1459.5,1023.35 cw(c-1455,1023.35) -1455,1027.85 cw(c-1455,1023.35) -1450.5,1023.35 -1450.5,1015.3 -1450.5,1004.94 ccw(c-1446,1004.94) -1446,1000.44 ccw(c-1446,1004.94) -1441.5,1004.94 -1441.5,1015.3 -1441.5,1023.35 cw(c-1437,1023.35) -1437,1027.85 cw(c-1437,1023.35) -1432.5,1023.35 -1432.5,1015.3 -1432.5,1004.94 ccw(c-1428,1004.94) -1428,1000.44 ccw(c-1428,1004.94) -1423.5,1004.94 -1423.5,1015.3 -1423.5,1025.65 cw(c-1419,1025.65) -1419,1030.15 cw(c-1419,1025.65) -1414.5,1025.65 -1414.5,1015.3 -1414.5,1004.94 ccw(c-1410,1004.94) -1410,1000.44 ccw(c-1410,1004.94) -1405.5,1004.94 -1405.5,1015.3 -1405.5,1025.65 cw(c-1401,1025.65) -1401,1030.15 cw(c-1401,1025.65) -1396.5,1025.65 -1396.5,1015.3 -1396.5,1004.94 ccw(c-1392,1004.94) -1392,1000.44 ccw(c-1392,1004.94) -1387.5,1004.94 -1387.5,1015.3 -1387.5,1025.65 cw(c-1383,1025.65) -1383,1030.15 cw(c-1383,1025.65) -1378.5,1025.65 -1378.5,1015.3 -1378.5,1004.94 ccw(c-1374,1004.94) -1374,1000.44 ccw(c-1374,1004.94) -1369.5,1004.94 -1369.5,1015.3 -1369.5,1025.65 cw(c-1365,1025.65) -1365,1030.15 cw(c-1365,1025.65) -1360.5,1025.65 -1360.5,1015.3 -1360.5,1004.94 ccw(c-1356,1004.94) -1356,1000.44 ccw(c-1356,1004.94) -1351.5,1004.94 -1351.5,1015.3 -1351.5,1025.65 cw(c-1347,1025.65) -1347,1030.15 cw(c-1347,1025.65) -1342.5,1025.65 -1342.5,1019.8 ccw(c-1338,1019.8) -1338,1015.3 -1240,1015.3 -1154.26,1015.3 -1141.33,1028.23 v1(-1100,1028.23) ; v1(-1069.89,974.89) -1059.4,964.4 -1038.7,964.4 -1032.08,957.78 -986.62,957.78 -980,964.4 -938.7,964.4 -927,976.1 U9.H4@-893,976.1
  Bottom Layer w4.5: v1(-1100,1028.23) -1100,1005.11 -1069.89,975 v1(-1069.89,974.89)
EMMC_DAT2: U1.D17 U9.H5 | length 1553.8
  Top Layer w4.5: U1.D17@-1632.05,977.05 -1632.05,993.8 v1(-1631,994.85) ; v1(-972.45,1017.9) -972.45,1010.45 -957.8,995.8 U9.H5@-893,995.8
  Bottom Layer w4.5: v1(-1631,994.85) -1515,994.85 ccw(c-1515,1002.1) -1507.75,1002.1 -1507.75,1007.6 cw(c-1500.5,1007.6) -1500.5,1014.85 cw(c-1500.5,1007.6) -1493.25,1007.6 -1493.25,994.85 -1493.25,993.47 ccw(c-1486,993.47) -1486,986.22 ccw(c-1486,993.47) -1478.75,993.47 -1478.75,994.85 -1478.75,1007.6 cw(c-1471.5,1007.6) -1471.5,1014.85 cw(c-1471.5,1007.6) -1464.25,1007.6 -1464.25,994.85 -1464.25,982.1 ccw(c-1457,982.1) -1457,974.85 ccw(c-1457,982.1) -1449.75,982.1 -1449.75,994.85 -1449.75,1007.6 cw(c-1442.5,1007.6) -1442.5,1014.85 cw(c-1442.5,1007.6) -1435.25,1007.6 -1435.25,994.85 -1435.25,982.1 ccw(c-1428,982.1) -1428,974.85 ccw(c-1428,982.1) -1420.75,982.1 -1420.75,994.85 -1420.75,1007.6 cw(c-1413.5,1007.6) -1413.5,1014.85 cw(c-1413.5,1007.6) -1406.25,1007.6 -1406.25,994.85 -1406.25,982.1 ccw(c-1399,982.1) -1399,974.85 ccw(c-1399,982.1) -1391.75,982.1 -1391.75,994.85 -1391.75,1007.6 cw(c-1384.5,1007.6) -1384.5,1014.85 cw(c-1384.5,1007.6) -1377.25,1007.6 -1377.25,994.85 -1377.25,982.1 ccw(c-1370,982.1) -1370,974.85 ccw(c-1370,982.1) -1362.75,982.1 -1362.75,994.85 -1362.75,1007.6 cw(c-1355.5,1007.6) -1355.5,1014.85 cw(c-1355.5,1007.6) -1348.25,1007.6 -1348.25,994.85 -1348.25,982.1 ccw(c-1341,982.1) -1341,974.85 ccw(c-1341,982.1) -1333.75,982.1 -1333.75,994.85 -1333.75,1007.6 cw(c-1326.5,1007.6) -1326.5,1014.85 cw(c-1326.5,1007.6) -1319.25,1007.6 -1319.25,994.85 -1319.25,982.1 ccw(c-1312,982.1) -1312,974.85 ccw(c-1312,982.1) -1304.75,982.1 -1304.75,994.85 -1304.75,1007.6 cw(c-1297.5,1007.6) -1297.5,1014.85 cw(c-1297.5,1007.6) -1290.25,1007.6 -1290.25,994.85 -1290.25,982.1 ccw(c-1283,982.1) -1283,974.85 ccw(c-1283,982.1) -1275.75,982.1 -1275.75,987.6 cw(c-1268.5,987.6) -1268.5,994.85 -1261.25,994.85 -1255,994.85 -1235,1014.85 -1235,1055 -1215.5,1074.5 -1208.25,1074.5 -1195.7,1074.5 cw(c-1195.7,1072.55) -1193.75,1072.55 ccw(c-1186.5,1072.55) -1186.5,1065.3 ccw(c-1186.5,1072.55) -1179.25,1072.55 -1179.25,1074.5 -1179.25,1086.54 cw(c-1172,1086.54) -1172,1093.79 cw(c-1172,1086.54) -1164.75,1086.54 -1164.75,1074.5 -1164.75,1073.26 ccw(c-1157.5,1073.26) -1157.5,1066.01 ccw(c-1157.5,1073.26) -1150.25,1073.26 -1150.25,1074.5 -1150.25,1086.54 cw(c-1143,1086.54) -1143,1093.79 cw(c-1143,1086.54) -1135.75,1086.54 -1135.75,1074.5 -1135.75,1073.26 ccw(c-1128.5,1073.26) -1128.5,1066.01 ccw(c-1128.5,1073.26) -1121.25,1073.26 -1121.25,1074.5 -1121.25,1086.54 cw(c-1114,1086.54) -1114,1093.79 cw(c-1114,1086.54) -1106.75,1086.54 -1106.75,1074.5 -1106.75,1073.26 ccw(c-1099.5,1073.26) -1099.5,1066.01 ccw(c-1099.5,1073.26) -1092.25,1073.26 -1092.25,1074.5 -1092.25,1086.54 cw(c-1085,1086.54) -1085,1093.79 cw(c-1085,1086.54) -1077.75,1086.54 -1077.75,1074.5 -1077.75,1073.26 ccw(c-1070.5,1073.26) -1070.5,1066.01 ccw(c-1070.5,1073.26) -1063.25,1073.26 ; -1063.25,1072.55 cw(c-1061.3,1072.55) -1061.3,1074.5 -1050,1074.5 -1014.79,1074.5 -972.45,1032.16 v1(-972.45,1017.9) ; -1063.25,1072.64 -1063.25,1073.16